# Allegro board 6089-103-RevA_73.brd (continued)
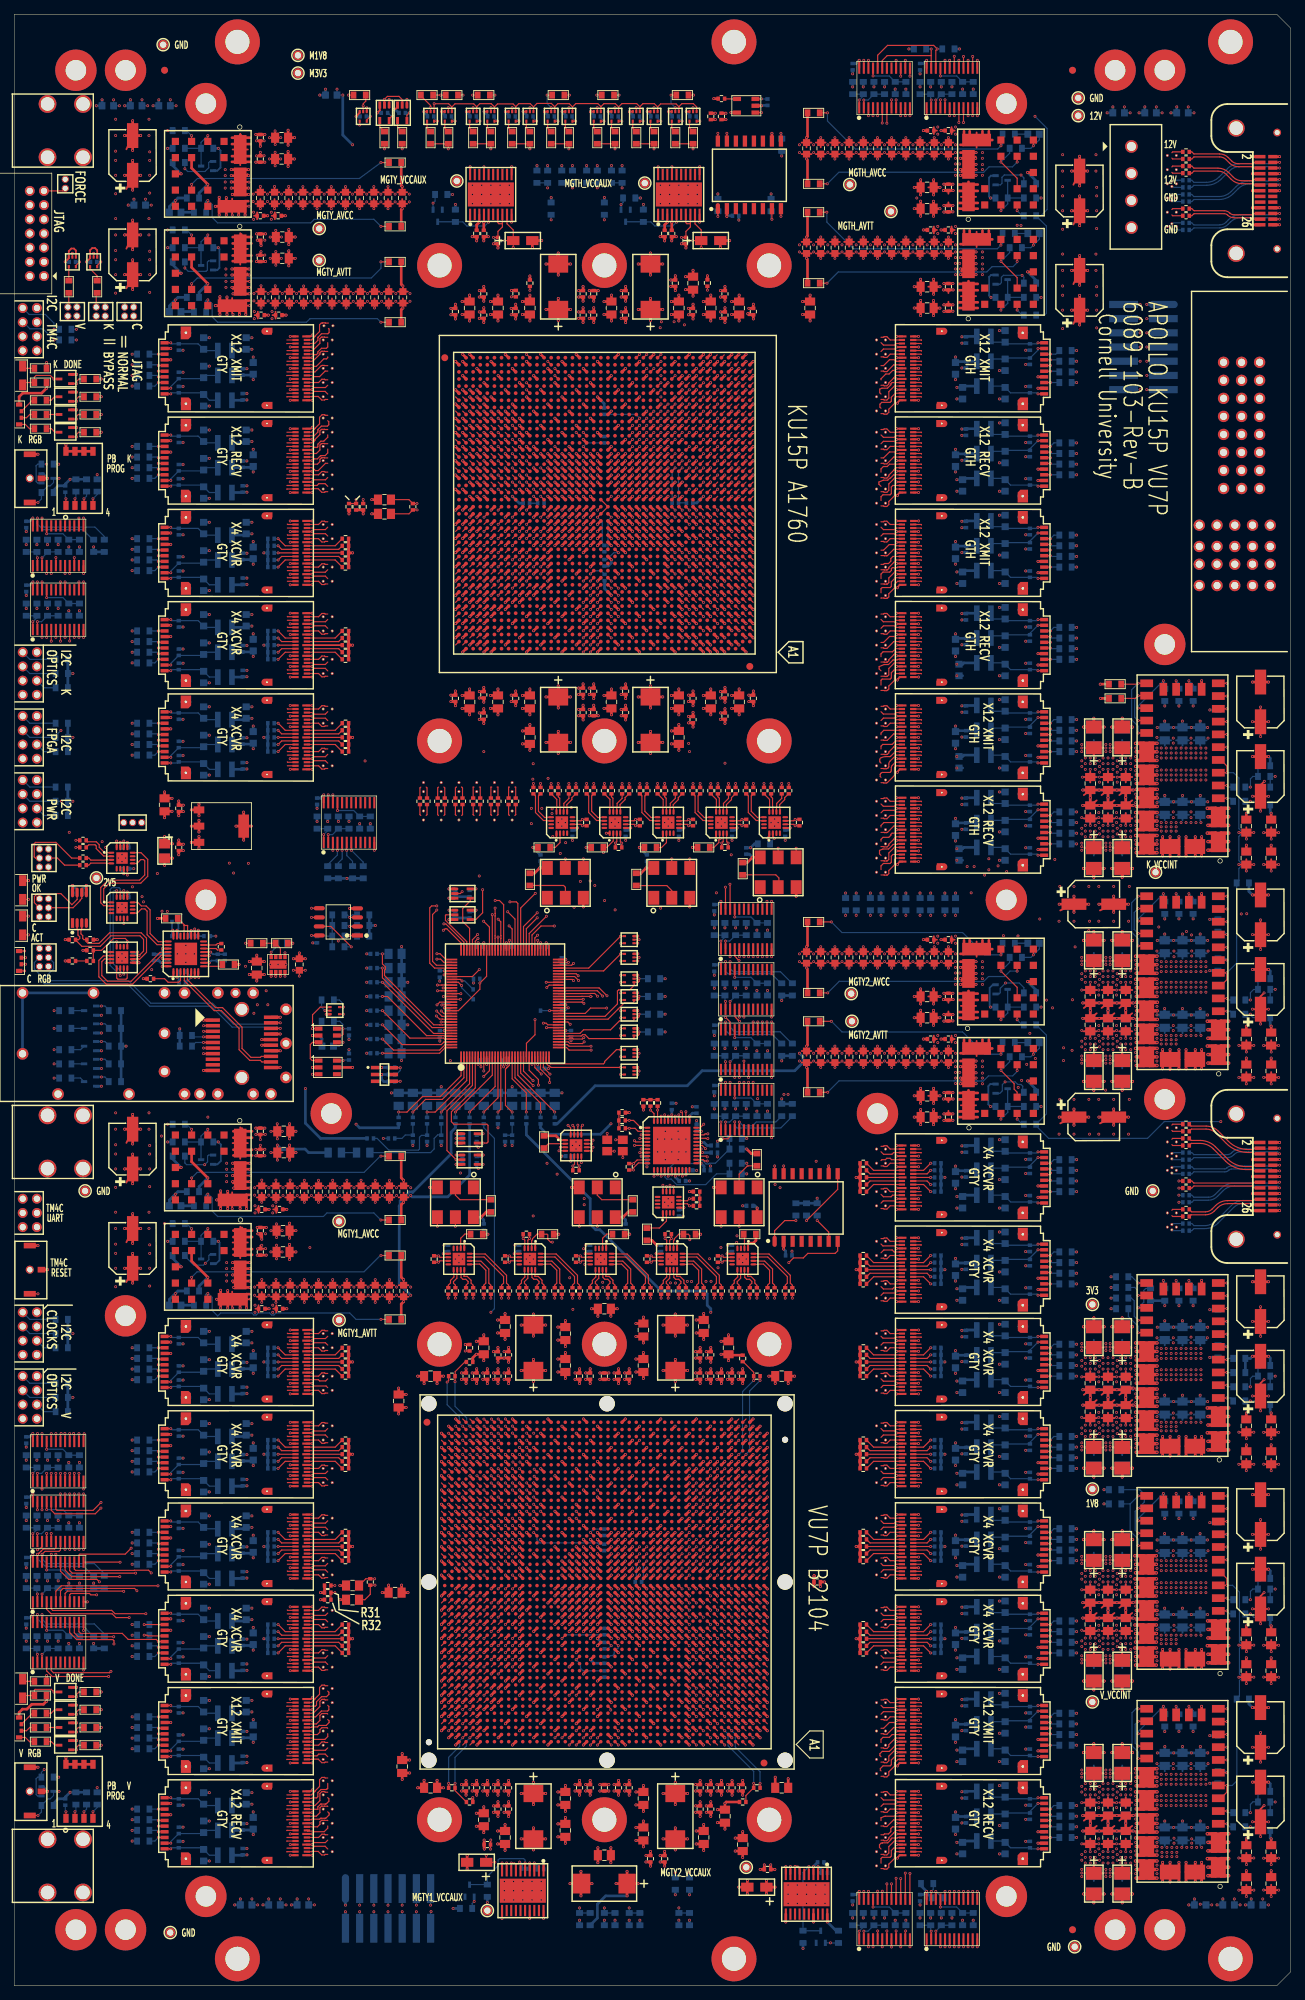
[diagram p0: board, top side]
## Routing (per net, layer and track width the routed paths; a pad name or vN(x,y) marks a point on that pad's centre or on a via; arc(x,y) is an arc through that point) (continued)
  GND2 w0.254: VA1.4 45.16,232.22 ; VA1.4 45.22,231.9 ; VA1.4 45.02,232.31 ; VA1.4 45.16,231.58 ; VA1.4 45.25,232.09 ; VA1.4 45.25,231.71 ; VA1.4 44.84,231.52 ; VA1.4 44.84,232.28 ; 121.15,23.09 VA133.4 ; VA133.4 121.18,22.9 ; VA133.4 121.15,22.71 ; VA133.4 121.24,22.58 ; VA133.4 121.56,23.28 ; VA133.4 121.24,23.22 ; VA133.4 121.38,22.49 ; VA133.4 121.56,22.52 ; 43.24,84.22 43.56,83.9 ; 43.56,83.9 43.24,83.58 ; 43.56,83.9 43.15,84.09 ; 43.56,83.9 43.15,83.71 ; 43.56,83.9 43.56,83.52 ; 43.56,83.9 43.56,84.28 ; 43.56,83.9 43.38,83.49 ; 43.56,83.9 43.18,83.9 ; VA117.4 122.83,66.28 ; VA117.4 123.22,65.9 ; VA117.4 123.02,66.31 ; VA117.4 123.16,66.22 ; VA117.4 122.83,65.52 ; VA117.4 123.25,65.71 ; VA117.4 123.16,65.58 ; VA117.4 123.25,66.09 ; 23.81,68.97 U26.G2 ; U26.G2 24.21,70.84 ; U26.G2 24.93,70.62 ; U26.G2 24.21,68.96 ; U26.G2 23.49,69.18 ; U26.G2 25.15,69.9 ; U26.G2 24.93,69.18 ; U26.G2 23.49,70.62 ; PM25.1 10,112.88 ; PM25.1 10.88,112 ; PM25.1 10.67,111.33 ; PM25.1 9.33,112.67 ; PM25.1 9.12,112 ; PM25.1 10.67,112.67 ; PM25.1 10,111.12 ; PM25.1 9.33,111.33 ; 121.18,85.9 VA111.4 ; VA111.4 121.38,85.49 ; VA111.4 121.15,85.71 ; VA111.4 121.56,86.28 ; VA111.4 121.24,86.22 ; VA111.4 121.56,85.52 ; VA111.4 121.15,86.09 ; VA111.4 121.24,85.58 ; 59.82,165.53 VA56.4 ; VA56.4 59.88,165.86 ; VA56.4 60.58,165.53 ; VA56.4 60.52,165.86 ; VA56.4 60.39,165.95 ; VA56.4 60.2,165.92 ; VA56.4 60.61,165.72 ; VA56.4 59.79,165.72 ; VA16.4 45.16,193.22 ; VA16.4 45.25,192.71 ; VA16.4 45.16,192.58 ; VA16.4 44.84,192.52 ; VA16.4 44.84,193.28 ; VA16.4 45.25,193.09 ; VA16.4 45.02,193.31 ; VA16.4 45.22,192.9 ; 43.38,179.49 43.56,179.9 ; 43.56,179.9 43.24,179.58 ; 43.56,179.9 43.15,179.71 ; 43.56,179.9 43.15,180.09 ; 43.56,179.9 43.56,179.52 ; 43.56,179.9 43.24,180.22 ; 43.56,179.9 43.56,180.28 ; 43.56,179.9 43.18,179.9 ; 43.38,76.49 43.56,76.9 ; 43.56,76.9 43.15,76.71 ; 43.56,76.9 43.18,76.9 ; 43.56,76.9 43.24,76.58 ; 43.56,76.9 43.56,76.52 ; 43.56,76.9 43.56,77.28 ; 43.56,76.9 43.15,77.09 ; 43.56,76.9 43.24,77.22 ; 3.53,241.57 J1.1 ; J1.1 4.2,241.78 ; J1.1 4.87,240.23 ; J1.1 5.08,240.9 ; J1.1 4.87,241.57 ; J1.1 3.53,240.23 ; J1.1 4.2,240.02 ; J1.1 3.32,240.9 ; VA19.3 45.25,184.71 ; VA19.3 45.25,185.09 ; VA19.3 45.22,184.9 ; VA19.3 44.84,185.28 ; VA19.3 45.16,184.58 ; VA19.3 44.84,184.52 ; VA19.3 45.02,185.31 ; VA19.3 45.16,185.22 ; 121.18,65.9 VA117.3 ; VA117.3 121.15,65.71 ; VA117.3 121.24,65.58 ; VA117.3 121.56,66.28 ; VA117.3 121.56,65.52 ; VA117.3 121.15,66.09 ; VA117.3 121.38,65.49 ; VA117.3 121.24,66.22 ; VA7.4 44.84,219.28 ; VA7.4 45.16,218.58 ; VA7.4 45.25,218.71 ; VA7.4 44.84,218.52 ; VA7.4 45.22,218.9 ; VA7.4 45.02,219.31 ; VA7.4 45.16,219.22 ; VA7.4 45.25,219.09 ; VA29.4 45.16,77.22 ; VA29.4 45.02,77.31 ; VA29.4 45.25,76.71 ; VA29.4 45.16,76.58 ; VA29.4 44.84,76.52 ; VA29.4 44.84,77.28 ; VA29.4 45.22,76.9 ; VA29.4 45.25,77.09 ; 163.84,247.9 164.02,248.31 ; 163.84,247.9 164.16,247.58 ; 163.84,247.9 164.25,248.09 ; 163.84,247.9 163.84,248.28 ; 163.84,247.9 164.16,248.22 ; 163.84,247.9 164.25,247.71 ; 163.84,247.9 163.84,247.52 ; 163.84,247.9 164.22,247.9 ; 67.7,163.88 67.7,164.26 ; 67.7,164.26 67.29,164.08 ; 67.7,164.26 67.32,164.26 ; 67.7,164.26 68.02,163.94 ; 67.7,164.26 68.11,164.08 ; 67.7,164.26 67.38,163.94 ; 67.7,164.26 67.51,163.85 ; 67.7,164.26 68.08,164.26 ; 121.56,20.52 VA134.4 ; VA134.4 121.24,21.22 ; VA134.4 121.15,20.71 ; VA134.4 121.15,21.09 ; VA134.4 121.56,21.28 ; VA134.4 121.24,20.58 ; VA134.4 121.18,20.9 ; VA134.4 121.38,20.49 ; 43.38,24.49 43.56,24.9 ; 43.56,24.9 43.56,24.52 ; 43.56,24.9 43.56,25.28 ; 43.56,24.9 43.15,25.09 ; 43.56,24.9 43.18,24.9 ; 43.56,24.9 43.15,24.71 ; 43.56,24.9 43.24,25.22 ; 43.56,24.9 43.24,24.58 ; VA43.4 44.84,36.28 ; VA43.4 44.84,35.52 ; VA43.4 45.22,35.9 ; VA43.4 45.16,36.22 ; VA43.4 45.02,36.31 ; VA43.4 45.25,36.09 ; VA43.4 45.25,35.71 ; VA43.4 45.16,35.58 ; VA61.4 68.08,169.53 ; VA61.4 67.89,169.95 ; VA61.4 67.7,169.92 ; VA61.4 67.38,169.86 ; VA61.4 68.02,169.86 ; VA61.4 67.29,169.72 ; VA61.4 68.11,169.72 ; VA61.4 67.32,169.53 ; 121.18,83.9 VA112.4 ; VA112.4 121.56,84.28 ; VA112.4 121.24,84.22 ; VA112.4 121.38,83.49 ; VA112.4 121.56,83.52 ; VA112.4 121.15,83.71 ; VA112.4 121.24,83.58 ; VA112.4 121.15,84.09 ; J17.3 158.57,251.54 ; J17.3 156.69,250.74 ; J17.3 157.5,252.61 ; J17.3 156.69,252.35 ; J17.3 158.31,250.74 ; J17.3 156.43,251.54 ; J17.3 157.5,250.48 ; J17.3 158.31,252.35 ; 43.24,192.58 43.56,192.9 ; 43.56,192.9 43.18,192.9 ; 43.56,192.9 43.56,193.28 ; 43.56,192.9 43.15,192.71 ; 43.56,192.9 43.38,192.49 ; 43.56,192.9 43.56,192.52 ; 43.56,192.9 43.24,193.22 ; 43.56,192.9 43.15,193.09 ; 121.24,221.58 VA70.4 ; VA70.4 121.15,222.09 ; VA70.4 121.56,221.52 ; VA70.4 121.15,221.71 ; VA70.4 121.18,221.9 ; VA70.4 121.24,222.22 ; VA70.4 121.56,222.28 ; VA70.4 121.38,221.49 ; U115.G1 142.19,44.84 ; U115.G1 142.91,44.62 ; U115.G1 141.79,42.97 ; U115.G1 141.25,43.9 ; U115.G1 141.47,43.18 ; U115.G1 142.91,43.18 ; U115.G1 142.19,42.96 ; U115.G1 141.47,44.62 ; VA59.4 65.58,169.53 ; VA59.4 65.39,169.95 ; VA59.4 65.61,169.72 ; VA59.4 65.52,169.86 ; VA59.4 64.79,169.72 ; VA59.4 64.82,169.53 ; VA59.4 64.88,169.86 ; VA59.4 65.2,169.92 ; 60.2,167.88 60.2,168.26 ; 60.2,168.26 59.82,168.26 ; 60.2,168.26 60.01,167.85 ; 60.2,168.26 59.79,168.08 ; 60.2,168.26 60.61,168.08 ; 60.2,168.26 60.58,168.26 ; 60.2,168.26 60.52,167.94 ; 60.2,168.26 59.88,167.94 ; 43.15,218.71 43.56,218.9 ; 43.56,218.9 43.38,218.49 ; 43.56,218.9 43.24,219.22 ; 43.56,218.9 43.15,219.09 ; 43.56,218.9 43.24,218.58 ; 43.56,218.9 43.56,219.28 ; 43.56,218.9 43.18,218.9 ; 43.56,218.9 43.56,218.52 ; 163.84,106.9 164.22,106.9 ; 163.84,106.9 164.16,106.58 ; 163.84,106.9 163.84,107.28 ; 163.84,106.9 164.25,107.09 ; 163.84,106.9 163.84,106.52 ; 163.84,106.9 164.16,107.22 ; 163.84,106.9 164.02,107.31 ; 163.84,106.9 164.25,106.71 ; VA72.3 123.25,216.71 ; VA72.3 123.22,216.9 ; VA72.3 123.16,217.22 ; VA72.3 123.16,216.58 ; VA72.3 123.02,217.31 ; VA72.3 122.83,216.52 ; VA72.3 122.83,217.28 ; VA72.3 123.25,217.09 ; 122.83,29.52 VA130.3 ; VA130.3 123.25,29.71 ; VA130.3 123.16,30.22 ; VA130.3 123.22,29.9 ; VA130.3 123.02,30.31 ; VA130.3 123.16,29.58 ; VA130.3 123.25,30.09 ; VA130.3 122.83,30.28 ; J8.7 1.87,79.23 ; J8.7 1.2,80.78 ; J8.7 1.87,80.57 ; J8.7 2.07,80.28 ; J8.7 2.07,79.52 ; J8.7 1.58,80.77 ; J8.7 2.08,79.9 ; J8.7 1.2,79.02 ; 166.33,202.06 P1.P2-9 ; P1.P2-9 167.81,203.54 ; P1.P2-9 167.81,202.06 ; P1.P2-9 167.07,203.78 ; P1.P2-9 166.09,202.8 ; P1.P2-9 168.05,202.8 ; P1.P2-9 167.07,201.82 ; P1.P2-9 166.33,203.54 ; 43.38,37.49 43.56,37.9 ; 43.56,37.9 43.15,38.09 ; 43.56,37.9 43.15,37.71 ; 43.56,37.9 43.56,38.28 ; 43.56,37.9 43.56,37.52 ; 43.56,37.9 43.24,37.58 ; 43.56,37.9 43.24,38.22 ; 43.56,37.9 43.18,37.9 ; J1.3 5.08,242.9 ; J1.3 4.87,243.57 ; J1.3 4.2,242.02 ; J1.3 3.53,243.57 ; J1.3 3.53,242.23 ; J1.3 3.32,242.9 ; J1.3 4.87,242.23 ; J1.3 4.2,243.78 ; VA31.3 45.16,71.22 ; VA31.3 45.02,71.31 ; VA31.3 45.25,71.09 ; VA31.3 45.16,70.58 ; VA31.3 45.22,70.9 ; VA31.3 45.25,70.71 ; VA31.3 44.84,71.28 ; VA31.3 44.84,70.52 ; 121.56,57.52 VA120.4 ; VA120.4 121.15,57.71 ; VA120.4 121.24,57.58 ; VA120.4 121.15,58.09 ; VA120.4 121.24,58.22 ; VA120.4 121.56,58.28 ; VA120.4 121.38,57.49 ; VA120.4 121.18,57.9 ; U13.37 21.86,128.16 ; U13.37 21.86,129.5 ; U13.37 20.52,128.16 ; U13.37 21.19,127.95 ; U13.37 22.07,128.83 ; U13.37 20.32,128.83 ; U13.37 21.19,129.7 ; U13.37 20.52,129.5 ; 2.53,89.57 J7.8 ; J7.8 3.87,88.23 ; J7.8 2.32,88.9 ; J7.8 3.87,89.57 ; J7.8 2.53,88.23 ; J7.8 3.2,88.02 ; J7.8 3.2,89.78 ; J7.8 4.08,88.9 ; 32.93,124.89 U13.27 ; U13.27 32.69,125.65 ; U13.27 34.45,126.41 ; U13.27 33.69,126.65 ; U13.27 34.69,125.65 ; U13.27 33.69,124.65 ; U13.27 34.45,124.89 ; U13.27 32.93,126.41 ; 23.49,28.62 U30.G1 ; U30.G1 24.21,28.84 ; U30.G1 24.93,27.18 ; U30.G1 24.93,28.62 ; U30.G1 23.81,26.97 ; U30.G1 25.15,27.9 ; U30.G1 23.49,27.18 ; U30.G1 24.21,26.96 ; VA2.4 45.25,230.09 ; VA2.4 45.22,229.9 ; VA2.4 45.16,230.22 ; VA2.4 45.02,230.31 ; VA2.4 44.84,230.28 ; VA2.4 45.25,229.71 ; VA2.4 45.16,229.58 ; VA2.4 44.84,229.52 ; 43.18,46.9 43.56,46.9 ; 43.56,46.9 43.15,46.71 ; 43.56,46.9 43.38,46.49 ; 43.56,46.9 43.24,47.22 ; 43.56,46.9 43.15,47.09 ; 43.56,46.9 43.24,46.58 ; 43.56,46.9 43.56,46.52 ; 43.56,46.9 43.56,47.28 ; VA137.4 162.56,258.28 ; VA137.4 162.15,257.71 ; VA137.4 162.38,257.49 ; VA137.4 162.15,258.09 ; VA137.4 162.24,257.58 ; VA137.4 162.18,257.9 ; VA137.4 162.56,257.52 ; VA137.4 162.24,258.22 ; 24.21,55.96 U27.G2 ; U27.G2 25.15,56.9 ; U27.G2 23.81,55.97 ; U27.G2 23.49,57.62 ; U27.G2 23.49,56.18 ; U27.G2 24.21,57.84 ; U27.G2 24.93,57.62 ; U27.G2 24.93,56.18 ; 43.38,52.49 43.56,52.9 ; 43.56,52.9 43.56,53.28 ; 43.56,52.9 43.24,53.22 ; 43.56,52.9 43.24,52.58 ; 43.56,52.9 43.15,53.09 ; 43.56,52.9 43.15,52.71 ; 43.56,52.9 43.18,52.9 ; 43.56,52.9 43.56,52.52 ; 121.56,214.52 VA73.4 ; VA73.4 121.24,214.58 ; VA73.4 121.38,214.49 ; VA73.4 121.24,215.22 ; VA73.4 121.15,215.09 ; VA73.4 121.15,214.71 ; VA73.4 121.18,214.9 ; VA73.4 121.56,215.28 ; P1.10 173.03,214.49 ; P1.10 174.01,213.51 ; P1.10 173.03,212.53 ; P1.10 172.29,214.25 ; P1.10 172.29,212.77 ; P1.10 172.05,213.51 ; P1.10 173.77,212.77 ; P1.10 173.77,214.25 ; 163.84,116.9 164.16,116.58 ; 163.84,116.9 164.02,117.31 ; 163.84,116.9 163.84,117.28 ; 163.84,116.9 164.25,117.09 ; 163.84,116.9 164.25,116.71 ; 163.84,116.9 164.16,117.22 ; 163.84,116.9 164.22,116.9 ; 163.84,116.9 163.84,116.52 ; P1.9 173.03,211.95 ; P1.9 172.05,210.97 ; P1.9 173.03,209.99 ; P1.9 172.29,210.23 ; P1.9 174.01,210.97 ; P1.9 173.77,210.23 ; P1.9 173.77,211.71 ; P1.9 172.29,211.71 ; 121.24,102.58 VA106.3 ; VA106.3 121.18,102.9 ; VA106.3 121.38,102.49 ; VA106.3 121.15,102.71 ; VA106.3 121.15,103.09 ; VA106.3 121.56,103.28 ; VA106.3 121.24,103.22 ; VA106.3 121.56,102.52 ; P1.11 174.01,216.05 ; P1.11 172.05,216.05 ; P1.11 172.29,216.79 ; P1.11 173.77,216.79 ; P1.11 173.03,217.03 ; P1.11 173.77,215.31 ; P1.11 173.03,215.07 ; P1.11 172.29,215.31 ; 163.84,251.9 164.25,251.71 ; 163.84,251.9 164.02,252.31 ; 163.84,251.9 163.84,251.52 ; 163.84,251.9 163.84,252.28 ; 163.84,251.9 164.16,252.22 ; 163.84,251.9 164.22,251.9 ; 163.84,251.9 164.16,251.58 ; 163.84,251.9 164.25,252.09 ; 57.7,164.26 58.02,163.94 ; 57.7,164.26 57.7,163.88 ; 57.7,164.26 57.32,164.26 ; 57.7,164.26 58.11,164.08 ; 57.7,164.26 57.38,163.94 ; 57.7,164.26 57.51,163.85 ; 57.7,164.26 58.08,164.26 ; 57.7,164.26 57.29,164.08 ; 177.07,204.82 P1.P2-2 ; P1.P2-2 176.33,205.06 ; P1.P2-2 176.33,206.54 ; P1.P2-2 177.81,205.06 ; P1.P2-2 178.05,205.8 ; P1.P2-2 177.81,206.54 ; P1.P2-2 177.07,206.78 ; P1.P2-2 176.09,205.8 ; VA20.4 45.25,179.71 ; VA20.4 45.25,180.09 ; VA20.4 45.16,180.22 ; VA20.4 45.22,179.9 ; VA20.4 45.02,180.31 ; VA20.4 44.84,179.52 ; VA20.4 44.84,180.28 ; VA20.4 45.16,179.58 ; VA67.3 123.16,227.58 ; VA67.3 122.83,227.52 ; VA67.3 123.02,228.31 ; VA67.3 123.16,228.22 ; VA67.3 123.25,228.09 ; VA67.3 122.83,228.28 ; VA67.3 123.25,227.71 ; VA67.3 123.22,227.9 ; U24.G1 24.21,181.84 ; U24.G1 24.21,179.96 ; U24.G1 24.93,181.62 ; U24.G1 24.93,180.18 ; U24.G1 25.15,180.9 ; U24.G1 23.81,179.97 ; U24.G1 23.49,180.18 ; U24.G1 23.49,181.62 ; VA42.4 45.25,38.09 ; VA42.4 45.16,37.58 ; VA42.4 45.16,38.22 ; VA42.4 45.22,37.9 ; VA42.4 44.84,38.28 ; VA42.4 45.25,37.71 ; VA42.4 45.02,38.31 ; VA42.4 44.84,37.52 ; VA94.4 121.56,170.28 ; VA94.4 121.15,170.09 ; VA94.4 121.24,170.22 ; VA94.4 121.18,169.9 ; VA94.4 121.24,169.58 ; VA94.4 121.56,169.52 ; VA94.4 121.38,169.49 ; VA94.4 121.15,169.71 ; 122.83,229.52 VA66.3 ; VA66.3 123.16,230.22 ; VA66.3 123.25,230.09 ; VA66.3 123.25,229.71 ; VA66.3 123.16,229.58 ; VA66.3 123.22,229.9 ; VA66.3 123.02,230.31 ; VA66.3 122.83,230.28 ; 2.53,173.57 J4.8 ; J4.8 3.87,172.23 ; J4.8 4.08,172.9 ; J4.8 3.2,172.02 ; J4.8 2.32,172.9 ; J4.8 2.53,172.23 ; J4.8 3.87,173.57 ; J4.8 3.2,173.78 ; 67.29,168.08 67.7,168.26 ; 67.7,168.26 68.02,167.94 ; 67.7,168.26 67.32,168.26 ; 67.7,168.26 67.38,167.94 ; 67.7,168.26 68.08,168.26 ; 67.7,168.26 68.11,168.08 ; 67.7,168.26 67.51,167.85 ; 67.7,168.26 67.7,167.88 ; VA32.4 45.02,66.31 ; VA32.4 44.84,65.52 ; VA32.4 45.16,65.58 ; VA32.4 45.25,65.71 ; VA32.4 45.16,66.22 ; VA32.4 45.25,66.09 ; VA32.4 45.22,65.9 ; VA32.4 44.84,66.28 ; 3.32,248.9 J1.9 ; J1.9 4.87,248.23 ; J1.9 4.2,248.02 ; J1.9 4.87,249.57 ; J1.9 3.53,249.57 ; J1.9 4.2,249.78 ; J1.9 5.08,248.9 ; J1.9 3.53,248.23 ; 172.05,228.75 P1.16 ; P1.16 172.29,228.01 ; P1.16 173.03,227.77 ; P1.16 174.01,228.75 ; P1.16 173.77,229.49 ; P1.16 173.03,229.73 ; P1.16 172.29,229.49 ; P1.16 173.77,228.01 ; VA45.4 45.22,31.9 ; VA45.4 45.16,32.22 ; VA45.4 44.84,31.52 ; VA45.4 44.84,32.28 ; VA45.4 45.16,31.58 ; VA45.4 45.02,32.31 ; VA45.4 45.25,32.09 ; VA45.4 45.25,31.71 ; 141.47,193.18 U107.G2 ; U107.G2 141.79,192.97 ; U107.G2 142.91,194.62 ; U107.G2 141.25,193.9 ; U107.G2 141.47,194.62 ; U107.G2 142.19,194.84 ; U107.G2 142.91,193.18 ; U107.G2 142.19,192.96 ; VA33.4 45.25,64.09 ; VA33.4 45.16,64.22 ; VA33.4 45.22,63.9 ; VA33.4 44.84,64.28 ; VA33.4 44.84,63.52 ; VA33.4 45.25,63.71 ; VA33.4 45.02,64.31 ; VA33.4 45.16,63.58 ; VA93.3 123.02,172.31 ; VA93.3 123.16,172.22 ; VA93.3 122.83,171.52 ; VA93.3 123.22,171.9 ; VA93.3 123.25,172.09 ; VA93.3 122.83,172.28 ; VA93.3 123.25,171.71 ; VA93.3 123.16,171.58 ; 121.24,204.22 VA78.4 ; VA78.4 121.56,203.52 ; VA78.4 121.15,203.71 ; VA78.4 121.15,204.09 ; VA78.4 121.24,203.58 ; VA78.4 121.56,204.28 ; VA78.4 121.18,203.9 ; VA78.4 121.38,203.49 ; 43.15,64.09 43.56,63.9 ; 43.56,63.9 43.56,63.52 ; 43.56,63.9 43.24,63.58 ; 43.56,63.9 43.56,64.28 ; 43.56,63.9 43.18,63.9 ; 43.56,63.9 43.24,64.22 ; 43.56,63.9 43.38,63.49 ; 43.56,63.9 43.15,63.71 ; 43.24,197.58 43.56,197.9 ; 43.56,197.9 43.56,197.52 ; 43.56,197.9 43.18,197.9 ; 43.56,197.9 43.15,198.09 ; 43.56,197.9 43.24,198.22 ; 43.56,197.9 43.15,197.71 ; 43.56,197.9 43.56,198.28 ; 43.56,197.9 43.38,197.49 ; 121.56,199.52 VA80.4 ; VA80.4 121.56,200.28 ; VA80.4 121.15,200.09 ; VA80.4 121.18,199.9 ; VA80.4 121.15,199.71 ; VA80.4 121.38,199.49 ; VA80.4 121.24,200.22 ; VA80.4 121.24,199.58 ; 121.18,78.9 VA113.3 ; VA113.3 121.38,78.49 ; VA113.3 121.56,79.28 ; VA113.3 121.15,79.09 ; VA113.3 121.15,78.71 ; VA113.3 121.24,78.58 ; VA113.3 121.24,79.22 ; VA113.3 121.56,78.52 ; 162.15,116.71 VA145.4 ; VA145.4 162.38,116.49 ; VA145.4 162.18,116.9 ; VA145.4 162.15,117.09 ; VA145.4 162.24,117.22 ; VA145.4 162.56,117.28 ; VA145.4 162.24,116.58 ; VA145.4 162.56,116.52 ; 141.79,107.97 U110.G1 ; U110.G1 141.47,108.18 ; U110.G1 141.25,108.9 ; U110.G1 142.91,108.18 ; U110.G1 141.47,109.62 ; U110.G1 142.91,109.62 ; U110.G1 142.19,109.84 ; U110.G1 142.19,107.96 ; 43.15,79.09 43.56,78.9 ; 43.56,78.9 43.38,78.49 ; 43.56,78.9 43.24,78.58 ; 43.56,78.9 43.18,78.9 ; 43.56,78.9 43.15,78.71 ; 43.56,78.9 43.24,79.22 ; 43.56,78.9 43.56,78.52 ; 43.56,78.9 43.56,79.28 ; 23.81,81.97 U25.G2 ; U25.G2 24.21,81.96 ; U25.G2 23.49,82.18 ; U25.G2 23.49,83.62 ; U25.G2 24.21,83.84 ; U25.G2 25.15,82.9 ; U25.G2 24.93,82.18 ; U25.G2 24.93,83.62 ; VA114.4 123.16,77.22 ; VA114.4 123.25,77.09 ; VA114.4 122.83,77.28 ; VA114.4 123.22,76.9 ; VA114.4 123.25,76.71 ; VA114.4 123.02,77.31 ; VA114.4 123.16,76.58 ; VA114.4 122.83,76.52 ; 69.79,165.72 VA64.4 ; VA64.4 70.39,165.95 ; VA64.4 69.88,165.86 ; VA64.4 69.82,165.53 ; VA64.4 70.2,165.92 ; VA64.4 70.52,165.86 ; VA64.4 70.58,165.53 ; VA64.4 70.61,165.72 ; 141.47,119.62 U110.G2 ; U110.G2 142.19,119.84 ; U110.G2 142.91,118.18 ; U110.G2 141.25,118.9 ; U110.G2 142.91,119.62 ; U110.G2 141.79,117.97 ; U110.G2 142.19,117.96 ; U110.G2 141.47,118.18 ; VA77.3 122.83,206.28 ; VA77.3 122.83,205.52 ; VA77.3 123.02,206.31 ; VA77.3 123.25,206.09 ; VA77.3 123.22,205.9 ; VA77.3 123.16,206.22 ; VA77.3 123.25,205.71 ; VA77.3 123.16,205.58 ; VA60.4 65.61,165.72 ; VA60.4 64.88,165.86 ; VA60.4 65.52,165.86 ; VA60.4 65.39,165.95 ; VA60.4 64.79,165.72 ; VA60.4 65.58,165.53 ; VA60.4 65.2,165.92 ; VA60.4 64.82,165.53 ; J12.1 7.74,255.07 ; J12.1 7.5,255.23 ; J12.1 7.2,255.22 ; J12.1 7.89,254.53 ; J12.1 6.66,255.07 ; J12.1 6.66,254 ; J12.1 7.74,254 ; J12.1 6.51,254.53 ; 121.18,158.9 VA99.4 ; VA99.4 121.24,158.58 ; VA99.4 121.56,159.28 ; VA99.4 121.56,158.52 ; VA99.4 121.15,159.09 ; VA99.4 121.15,158.71 ; VA99.4 121.24,159.22 ; VA99.4 121.38,158.49 ; 121.38,218.49 VA71.4 ; VA71.4 121.15,218.71 ; VA71.4 121.15,219.09 ; VA71.4 121.24,219.22 ; VA71.4 121.56,218.52 ; VA71.4 121.56,219.28 ; VA71.4 121.18,218.9 ; VA71.4 121.24,218.58 ; 37.31,127.99 U13.25 ; U13.25 38.31,128.99 ; U13.25 39.32,127.99 ; U13.25 37.55,128.75 ; U13.25 38.31,126.98 ; U13.25 39.07,128.75 ; U13.25 37.55,127.23 ; U13.25 39.07,127.23 ; 142.19,231.96 U104.G2 ; U104.G2 142.91,232.18 ; U104.G2 141.47,233.62 ; U104.G2 142.19,233.84 ; U104.G2 141.47,232.18 ; U104.G2 141.79,231.97 ; U104.G2 142.91,233.62 ; U104.G2 141.25,232.9 ; VA93.4 121.56,172.28 ; VA93.4 121.15,171.71 ; VA93.4 121.24,172.22 ; VA93.4 121.24,171.58 ; VA93.4 121.15,172.09 ; VA93.4 121.56,171.52 ; VA93.4 121.38,171.49 ; VA93.4 121.18,171.9 ; VA102.4 122.83,116.28 ; VA102.4 123.25,116.09 ; VA102.4 122.83,115.52 ; VA102.4 123.22,115.9 ; VA102.4 123.16,116.22 ; VA102.4 123.02,116.31 ; VA102.4 123.16,115.58 ; VA102.4 123.25,115.71 ; 37.55,136.83 U13.23 ; U13.23 37.31,137.59 ; U13.23 39.07,136.83 ; U13.23 39.07,138.35 ; U13.23 38.31,136.59 ; U13.23 39.32,137.59 ; U13.23 38.31,138.59 ; U13.23 37.55,138.35 ; 121.18,33.9 VA128.4 ; VA128.4 121.56,34.28 ; VA128.4 121.56,33.52 ; VA128.4 121.38,33.49 ; VA128.4 121.24,34.22 ; VA128.4 121.15,33.71 ; VA128.4 121.24,33.58 ; VA128.4 121.15,34.09 ; 43.56,171.9 43.56,172.28 ; 43.56,171.9 43.24,171.58 ; 43.56,171.9 43.38,171.49 ; 43.56,171.9 43.18,171.9 ; 43.56,171.9 43.15,172.09 ; 43.56,171.9 43.56,171.52 ; 43.56,171.9 43.15,171.71 ; 43.56,171.9 43.24,172.22 ; 162.18,106.9 VA148.4 ; VA148.4 162.24,106.58 ; VA148.4 162.56,106.52 ; VA148.4 162.15,107.09 ; VA148.4 162.15,106.71 ; VA148.4 162.56,107.28 ; VA148.4 162.24,107.22 ; VA148.4 162.38,106.49 ; 141.25,17.9 U117.G1 ; U117.G1 141.47,18.62 ; U117.G1 142.91,18.62 ; U117.G1 142.19,16.96 ; U117.G1 141.79,16.97 ; U117.G1 142.91,17.18 ; U117.G1 142.19,18.84 ; U117.G1 141.47,17.18 ; 121.56,39.52 VA125.4 ; VA125.4 121.18,39.9 ; VA125.4 121.56,40.28 ; VA125.4 121.24,39.58 ; VA125.4 121.38,39.49 ; VA125.4 121.24,40.22 ; VA125.4 121.15,39.71 ; VA125.4 121.15,40.09 ; 23.49,54.62 U28.G1 ; U28.G1 24.93,54.62 ; U28.G1 24.21,54.84 ; U28.G1 24.93,53.18 ; U28.G1 23.81,52.97 ; U28.G1 24.21,52.96 ; U28.G1 25.15,53.9 ; U28.G1 23.49,53.18 ; VA88.3 123.25,182.71 ; VA88.3 122.83,183.28 ; VA88.3 123.02,183.31 ; VA88.3 123.22,182.9 ; VA88.3 123.16,183.22 ; VA88.3 122.83,182.52 ; VA88.3 123.16,182.58 ; VA88.3 123.25,183.09 ; VA94.3 123.02,170.31 ; VA94.3 123.16,169.58 ; VA94.3 123.16,170.22 ; VA94.3 123.22,169.9 ; VA94.3 122.83,170.28 ; VA94.3 122.83,169.52 ; VA94.3 123.25,169.71 ; VA94.3 123.25,170.09 ; VA26.3 45.16,85.58 ; VA26.3 44.84,85.52 ; VA26.3 44.84,86.28 ; VA26.3 45.16,86.22 ; VA26.3 45.25,85.71 ; VA26.3 45.22,85.9 ; VA26.3 45.25,86.09 ; VA26.3 45.02,86.31 ; 57.7,168.26 58.08,168.26 ; 57.7,168.26 58.02,167.94 ; 57.7,168.26 57.51,167.85 ; 57.7,168.26 57.29,168.08 ; 57.7,168.26 57.32,168.26 ; 57.7,168.26 57.7,167.88 ; 57.7,168.26 57.38,167.94 ; 57.7,168.26 58.11,168.08 ; 141.79,208.97 U105.G1 ; U105.G1 142.19,208.96 ; U105.G1 142.91,210.62 ; U105.G1 141.47,209.18 ; U105.G1 142.19,210.84 ; U105.G1 141.47,210.62 ; U105.G1 142.91,209.18 ; U105.G1 141.25,209.9 ; 62.7,167.88 62.7,168.26 ; 62.7,168.26 63.11,168.08 ; 62.7,168.26 62.38,167.94 ; 62.7,168.26 63.02,167.94 ; 62.7,168.26 62.32,168.26 ; 62.7,168.26 63.08,168.26 ; 62.7,168.26 62.51,167.85 ; 62.7,168.26 62.29,168.08 ; VA84.3 123.02,191.31 ; VA84.3 123.25,191.09 ; VA84.3 122.83,190.52 ; VA84.3 123.22,190.9 ; VA84.3 123.16,190.58 ; VA84.3 123.25,190.71 ; VA84.3 122.83,191.28 ; VA84.3 123.16,191.22 ; 149.33,266.67 PM22.1 ; PM22.1 149.12,266 ; PM22.1 150.67,265.33 ; PM22.1 150.88,266 ; PM22.1 150.67,266.67 ; PM22.1 150,266.88 ; PM22.1 149.33,265.33 ; PM22.1 150,265.12 ; 142.19,182.96 U107.G1 ; U107.G1 141.25,183.9 ; U107.G1 141.79,182.97 ; U107.G1 142.91,183.18 ; U107.G1 142.19,184.84 ; U107.G1 142.91,184.62 ; U107.G1 